# Altium PCB PCB_Core.PcbDoc (part 2 of 2) (continued)
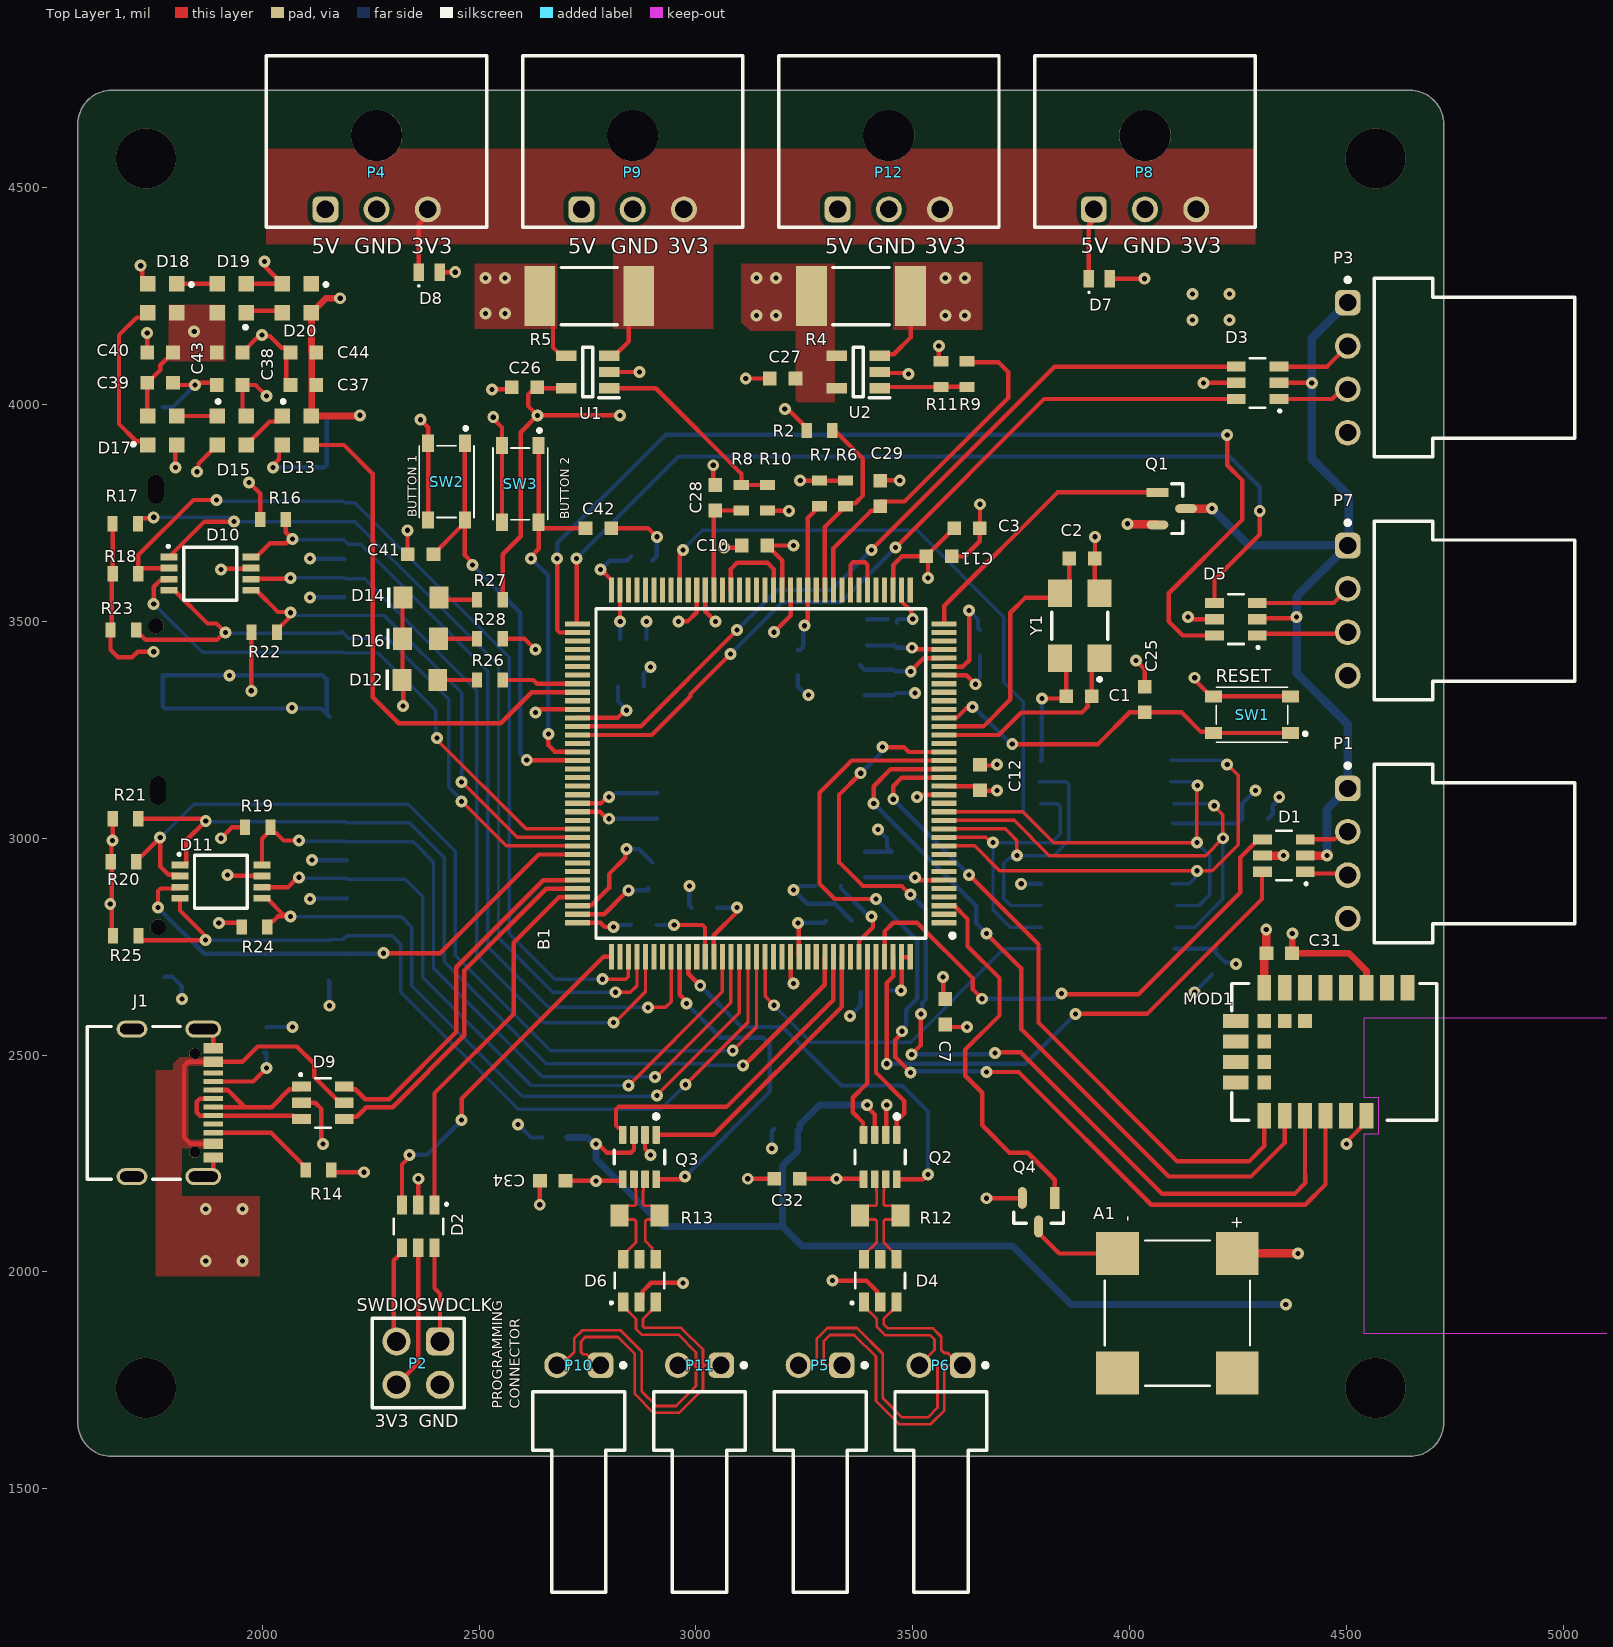
[diagram p0: Top Layer 1 view]
## Nets (pads, with @x,y where several pads share a name; then routed paths per layer and width w, separated by ;. In a path a pad name is that pad's centre, name@x,y a point inside that pad or via, vN(x,y) a via of type N, cw(c..) or ccw(c..) an arc to the next point about the centre after c; other vN are vias at no path point) (continued)
  other v1: 2068.89,3300.75 1925,3375
LED_1: B1.80 R26.1 | length 180.5
  Top Layer 1 w10: R26.1@2550,3365 2625,3365 2633.7,3356.3 B1.80@2726.85,3356.3
LED_PWM: B1.81 D13.3 | length 1205.5
  Top Layer 1 w10: D13.3@2118.46,3906.54 2188.46,3906.54 2255,3840 2255,3325 2315,3265 2550,3265 2621.61,3336.61 B1.81@2726.85,3336.61
NetA1_N: A1.N Q4.3 | length 216.5
  Top Layer 1 w10: Q4.3@3790,2105 3790,2090.39 3837.59,2042.8 A1.N@3972.2,2042.8
NetB1_138: B1.138 R1.1 | length 212.3
  Top Layer 1 w10: B1.138@3375,2702.74 B1.138@3375.98,2703.72 ; B1.138@3375.98,2726.85 3376.17,2727.03 3376.17,2762.82 3408.36,2795.02 3408.36,2816.64 v1(3405,2820)
  Bottom Layer 1 w10: R1.1@3334.53,2890 3334.53,2884.09 3391.46,2827.16 3393.09,2827.16 3400.25,2820 v1(3405,2820)
NetD1_1: D1.1 P1.3 | length 101
  Top Layer 1 w10: D1.1@4405,2922.6 4408.8,2918.8 4499.07,2918.8 P1.3@4502.87,2915
NetD1_2: D1.2 D3.2 D5.2 P1.1 P3.1 P7.1 Q1.3 | length 2089.6
  Top Layer 1 w10: D5.2@4294.21,3505 4296.71,3507.5 4382.5,3507.5 v1(4385,3510) ; D3.2@4344.21,4050 v1(4420,4050)
  Top Layer 1 w19.68: Q1.3@4130,3760 v1(4190,3760) ; D1.2@4405,2960 v1(4455,2960)
  Bottom Layer 1 w19.68: v1(4190,3760) 4275,3675 P7.1@4502.87,3675 ; v1(4455,2960) 4455,3067.13 P1.1@4502.87,3115 4502.87,3262.87 4385,3380.75 v1(4385,3510) 4385,3557.13 P7.1@4502.87,3675 ; P3.1@4502.87,4235 4420,4152.13 v1(4420,4050) 4420,3875 4505,3790 4505,3677.13 P7.1@4502.87,3675
NetD1_3: D1.3 P1.2 | length 105.2
  Top Layer 1 w10: D1.3@4405,2997.4 4472,2997.4 4489.6,3015 P1.2@4502.87,3015
NetD2_4: D2.4 P2.3 | length 225.3
  Top Layer 1 w10: P2.3@2303.39,1838.46 2303.39,2026.74 2322.6,2045.94 D2.4@2322.6,2055.79
NetD2_6: D2.6 P2.1 | length 221
  Top Layer 1 w10: D2.6@2397.4,2055.79 2397.4,1962.58 2410,1949.99 P2.1@2410,1840
NetD3_1: D3.1 P3.3 | length 167.9
  Top Layer 1 w10: D3.1@4344.21,4012.6 4467.2,4012.6 4489.6,4035 P3.3@4502.87,4035
NetD3_3: D3.3 P3.2 | length 178.4
  Top Layer 1 w10: D3.3@4344.21,4087.4 4455.28,4087.4 P3.2@4502.87,4135
NetD4_1: D4.1 P5.2 P6.2 | length 970.3
  Top Layer 1 w6.3: P5.2@3236.67,1785 3275.1,1785 3278.79,1788.69 3278.79,1846.52 3303.02,1870.75 3371.52,1870.75 3430.75,1811.52 3430.75,1709.25 3475,1665 3535,1665 3557.13,1687.13 3557.13,1781.31 3553.44,1785 P6.2@3515,1785 3550,1820 3550,1844.25 3540,1854.25 3436.35,1854.25 3417.13,1873.48 3417.13,1891.42 3387.6,1920.94 D4.1@3387.6,1930.79
NetD4_3: D4.3 P5.1 P6.1 | length 978.2
  Top Layer 1 w6.3: P5.1@3336.67,1785 3298.23,1785 3294.54,1788.69 3294.54,1840 3309.54,1855 3365,1855 3415,1805 3415,1702.73 3468.48,1649.25 3541.52,1649.25 3572.87,1680.6 3572.87,1781.31 3576.56,1785 P6.1@3608.71,1785 ; D4.3@3462.4,1930.79 3462.4,1920.94 3432.87,1891.42 3432.87,1880 3442.87,1870 3546.52,1870 3565.75,1850.78 3565.75,1820 3572.63,1813.12 3580.6,1813.12 P6.1@3608.71,1785 ; P6.1@3615,1785 P6.1@3608.71,1785
NetD5_1: D5.1 P7.3 | length 211.7
  Top Layer 1 w10: D5.1@4294.21,3467.6 4297.91,3471.3 4499.17,3471.3 P7.3@4502.87,3475
NetD5_3: D5.3 P7.2 | length 222.2
  Top Layer 1 w10: D5.3@4294.21,3542.4 4470.28,3542.4 P7.2@4502.87,3575
NetD6_1: D6.1 P10.2 P11.2 | length 872.1
  Top Layer 1 w6.3: P10.2@2680,1785 2689.25,1785 2719.25,1815 2719.25,1846.52 2738.48,1865.75 2826.52,1865.75 2875,1817.27 2875,1725 2908.86,1691.14 2954.61,1691.14 3000.46,1736.98 3000.46,1781.31 2996.77,1785 ; D6.1@2832.6,1930.79 2832.6,1920.94 2862.13,1891.42 2862.13,1868.33 2875.04,1855.42 2959.58,1855.42 3000.46,1814.54 3000.46,1788.69 2996.77,1785 ; P11.2@2958.33,1785 2996.77,1785
NetD6_3: D6.3 P10.1 P11.1 | length 877.8
  Top Layer 1 w6.3: P10.1@2780,1785 2773.71,1785 2748.17,1810.55 2739.45,1810.55 2735,1815 2735,1840 2745,1850 2820,1850 2859.25,1810.75 2859.25,1718.48 2902.34,1675.39 2961.14,1675.39 3016.21,1730.46 3016.21,1781.31 3019.9,1785 ; D6.3@2907.4,1930.79 2907.4,1920.94 2877.87,1891.42 2877.87,1874.86 2881.56,1871.17 2966.11,1871.17 3016.21,1821.06 3016.21,1788.69 3019.9,1785 ; P11.1@3058.33,1785 3019.9,1785
NetD12_2: D12.2 R26.2 | length 85.9
  Top Layer 1 w10: D12.2@2405,3365 R26.2@2490.94,3365
NetD13_1: D13.1 D15.3 | length 115.8
  Top Layer 1 w10: D15.3@1963.46,3906.54 2017.68,3960.75 2038.82,3960.75 D13.1@2051.54,3973.46
NetD14_2: D14.2 R27.2 | length 89.1
  Top Layer 1 w10: D14.2@2406.34,3550 R27.2@2495.47,3550
NetD15_1: D15.1 D17.3 | length 93.1
  Top Layer 1 w10: D17.3@1803.46,3973.46 D15.1@1896.54,3973.46
NetD16_2: D16.2 R28.1 | length 89.1
  Top Layer 1 w10: D16.2@2406.34,3460 R28.1@2495.47,3460
NetD17_1: D17.1 D18.3 | length 379.5
  Top Layer 1 w10: D17.1@1736.54,3906.54 1727.75,3915.32 1709.68,3915.32 1670,3955 1670,4160 1710.71,4200.71 1725.71,4200.71 D18.3@1736.54,4211.54
NetD18_1: D18.1 D19.3 | length 93.1
  Top Layer 1 w10: D18.1@1803.46,4278.46 D19.3@1896.54,4278.46
NetD19_1: D19.1 D20.3 | length 88.1
  Top Layer 1 w10: D19.1@1963.46,4216.54 D20.3@2051.54,4216.54
NetJ1_A5: J1.A5 R15.1 | length 176.2
  Top Layer 1 w10: J1.A5@1887.83,2438.31 J1.A5@1886.93,2439.21 1979.33,2439.21 v1(2010,2469.88)
  Bottom Layer 1 w10: R15.1@2005,2505.47 R15.1@2007.5,2502.97 ; v1(2010,2469.88) R15.1@2010,2505.47
NetJ1_B5: J1.B5 R14.1 | length 252.7
  Top Layer 1 w10: J1.B5@1886.93,2321.1 2020.28,2321.1 2100.47,2240.91 R14.1@2100.47,2235
NetR8_1: R8.1 R10.2 U1.1 | length 472.3
  Top Layer 1 w10: U1.1@2800,4037.6 2907.4,4037.6 3105,3840 R8.1@3105,3814.53 R10.2@3165,3814.53
NetR9_1: R9.1 R11.2 U2.1 | length 205.6
  Top Layer 1 w10: U2.1@3424.23,4040.47 R11.2@3565,4040.47 ; R11.2@3560.24,4040.71 3624.76,4040.71 R9.1@3625,4040.47
OSC_IN: B1.23 C1.1 Y1.1 | length 477.3
  Top Layer 1 w10: B1.23@3572.36,3238.19 3698.19,3238.19 3750,3290 3890,3290 3903.5,3303.5 3903.5,3318.12 C1.1@3912.54,3327.17 3912.54,3392.43 3921.37,3401.26 Y1.1@3935.28,3401.26
OSC_OUT: B1.24 C2.1 Y1.3 | length 609.2
  Top Layer 1 w10: B1.24@3572.36,3257.87 3662.87,3257.87 3725,3320 3725,3520 3759.8,3554.8 3844.72,3554.8 3860.47,3570.55 C2.1@3860.47,3645
RESET: B1.25 C25.2 SW1.1 | length 896.4
  Top Layer 1 w10: B1.25@3570.55,3277.56 3571.46,3278.46 3602.03,3278.46 3622.94,3299.37 3634.15,3299.37 v1(3637.51,3302.73) ; v1(3729.32,3216.98) 3926.98,3216.98 4000.47,3290.47 C25.2@4035,3290.47 4119.53,3290.47 4164.74,3245.26 4190.83,3245.26 SW1.1@4193.57,3242.52 SW1.1@4370.74,3242.52
  Bottom Layer 1 w10: v1(3637.51,3302.73) 3640.54,3302.73 3726.29,3216.98 v1(3729.32,3216.98)
SD1_CD: B1.97 D10.3 J2.9 | length 1312.3
  Top Layer 1 w7.87: v1(2402.73,3231.05) 2402.73,3227.27 2608.35,3021.65 B1.97@2726.85,3021.65
  Top Layer 1 w10: v1(1750,3540) 1750,3580 1764.33,3594.33 1782.64,3594.33 D10.3@1785.51,3597.2
  Bottom Layer 1 w7.87: v1(1750,3540) 1861.5,3428.5 2188.54,3428.5 J2.9@2190.04,3427.01 2267.99,3427.01 2400,3295 2400,3233.78 v1(2402.73,3231.05)
SD1_CLK: B1.113 D10.6 J2.5 | length 1802.9
  Top Layer 1 w7.87: v1(2810,2575) 2812.93,2575 2883.86,2645.93 B1.113@2883.86,2726.85
  Top Layer 1 w10: D10.6@1974.49,3597.2 1975.89,3598.6 2063.6,3598.6 v1(2065,3600)
  Bottom Layer 1 w7.87: v1(2065,3600) 2065.12,3600.12 2189.92,3600.12 J2.5@2190.04,3600.24 2191.86,3598.42 2236.58,3598.42 2495,3340 2495,2730 2650,2575 v1(2810,2575)
SD1_CMD: B1.116 D10.8 J2.3 R16.2 | length 1970.7
  Top Layer 1 w7.87: v1(2890,2610) 2930,2610 2942.91,2622.91 B1.116@2942.91,2726.85
  Top Layer 1 w10: D10.8@1974.49,3648.39 1986.3,3648.39 2017.91,3680 2055.36,3680 2065.36,3690 v1(2070,3690) 2054.53,3705.47 R16.2@2054.53,3735
  Bottom Layer 1 w7.87: v1@2065,3690 2066.57,3688.43 2188.46,3688.43 2198.82,3678.07 2226.93,3678.07 2520,3385 2520,2750 2660,2610 v1(2890,2610)
SD1_DATA0: B1.98 D10.5 J2.7 R22.2 | length 1152.3
  Top Layer 1 w7.87: v1(2460,3130) 2588.03,3001.97 B1.98@2726.85,3001.97
  Top Layer 1 w10: D10.5@1974.49,3571.61 1986.3,3571.61 2036.22,3521.69 2063.31,3521.69 v1(2065,3520) 2061.64,3516.64 2061.64,3508.02 2034.53,3480.91 R22.2@2034.53,3475
  Bottom Layer 1 w7.87: v1@2076.13,3513.62 J2.7@2190.04,3513.62 2281.38,3513.62 2460,3335 v1(2460,3130)
SD1_DATA1: B1.99 D10.4 J2.8 R23.2 | length 1529.6
  Top Layer 1 w7.87: v1(2460,3085) 2562.72,2982.28 B1.99@2726.85,2982.28
  Top Layer 1 w10: R23.2@1714.53,3474.09 1714.53,3469.09 1716.34,3467.28 1721.34,3467.28 1731.35,3457.27 1896.06,3457.27 1908.4,3469.61 v1@1908.4,3473.91 ; D10.4@1785.51,3571.61 1797.32,3571.61 1873.94,3495 1894.49,3495 v1(1915.43,3474.06) v1@1908.26,3474.06
  Bottom Layer 1 w7.87: v1(1915.43,3474.06) 1917.3,3472.19 2179.26,3472.19 2183.71,3476.64 2198.82,3461.54 2288.46,3461.54 2430,3320 2430,3118.14 2460,3088.14 v1(2460,3085)
SD1_DATA2: B1.111 D10.2 J2.1 R18.2 | length 2184.5
  Top Layer 1 w7.87: v1(2785,2675) 2785.25,2675.25 2838.63,2675.25 2844.49,2681.11 B1.111@2844.49,2726.85
  Top Layer 1 w10: D10.2@1785.51,3622.8 1727.32,3622.8 1727.24,3622.72 1721.34,3622.72 1714.53,3615.91 R18.2@1714.53,3610 1714.53,3652.97 1841.56,3780 v1(1895,3780)
  Bottom Layer 1 w7.87: v1(1895,3780) 1898.27,3776.73 2186.77,3776.73 J2.1@2190.04,3773.46 2213.66,3773.46 2570,3417.13 2570,2780 2675,2675 v1(2785,2675)
SD1_DATA3: B1.112 D10.1 J2.2 R17.2 | length 2238.5
  Top Layer 1 w7.87: v1(2815,2645) 2815.36,2644.64 2848.78,2644.64 2864.17,2660.03 B1.112@2864.17,2726.85
  Top Layer 1 w10: R17.2@1714.06,3725 1714.06,3730.91 1720.87,3737.72 1747.72,3737.72 v1(1750,3740) ; D10.1@1785.51,3648.39 1867.13,3730 v1(1935,3730)
  Bottom Layer 1 w7.87: v1(1750,3740) 1920.25,3740 1930.25,3730 v1(1935,3730) 1935.08,3730.08 2189.96,3730.08 J2.2@2190.04,3730.16 2213.66,3730.16 2545,3398.82 2545,2770 2670,2645 v1(2815,2645)
SD2_CD: B1.100 D11.3 J3.9 | length 1199.6
  Top Layer 1 w10: v1(1760,2840) 1760,2878.47 1765.86,2884.33 1807.64,2884.33 D11.3@1810.51,2887.2 ; v1(2280,2735) 2410,2735 2637.6,2962.6 B1.100@2726.85,2962.6
  Bottom Layer 1 w10: v1(1760,2840) 1866.44,2733.56 2193.68,2733.56 J3.9@2195.12,2732.13 2196.56,2733.56 2278.56,2733.56 v1(2280,2735)
SD2_CLK: B1.122 D11.6 J3.5 | length 1548.5
  Top Layer 1 w7.87: v1(2845,2430) 3061.02,2646.02 B1.122@3061.02,2726.85
  Top Layer 1 w10: D11.6@1999.49,2887.2 2059.52,2887.2 2082.32,2910 v1(2085,2910)
  Bottom Layer 1 w7.87: v1(2085,2910) 2087.32,2907.68 2192.8,2907.68 J3.5@2195.12,2905.35 2329.65,2905.35 2370,2865 2370,2680 2620,2430 v1(2845,2430)
SD2_CMD: B1.123 D11.8 J3.3 R19.2 | length 1712.4
  Top Layer 1 w7.87: v1(2905.67,2449.69) 2909.69,2449.69 3080.71,2620.71 B1.123@3080.71,2726.85
  Top Layer 1 w10: D11.8@1999.49,2938.39 1999.49,2999.05 R19.2@2019.53,3019.09 ; R19.2@2019.53,3025 R19.2@2019.53,3019.09 ; v1(2085,2995) 2049.53,2995 2032.24,3012.28 2026.34,3012.28 R19.2@2019.53,3019.09
  Bottom Layer 1 w7.87: v1(2085,2995) 2086.52,2993.48 2193.6,2993.48 J3.3@2195.12,2991.97 2348.03,2991.97 2395,2945 2395,2700 2645.31,2449.69 v1(2905.67,2449.69)
SD2_DATA0: B1.124 D11.5 J3.7 R24.2 | length 1645
  Top Layer 1 w7.87: v1(2909.99,2407.12) 3100.39,2597.53 B1.124@3100.39,2726.85
  Top Layer 1 w10: D11.5@1999.49,2861.61 2011.3,2861.61 2049.55,2823.36 2061.64,2823.36 v1(2065,2820) 2064.91,2819.91 2036.22,2819.91 2024.53,2808.23 2018.63,2808.23 2011.82,2801.42 R24.2@2011.82,2795.51
  Bottom Layer 1 w7.87: v1(2065,2820) 2065.63,2819.37 2194.49,2819.37 J3.7@2195.12,2818.74 2321.26,2818.74 2345,2795 2345,2660 2600,2405 2907.86,2405 v1(2909.99,2407.12)
SD2_DATA1: B1.125 D11.4 J3.8 R25.2 | length 2002.8
  Top Layer 1 w7.87: v1(2976,2431.8) 3120.08,2575.88 B1.125@3120.08,2726.85
  Top Layer 1 w10: R25.2@1715,2775 1715,2771.81 1721.81,2765 1868,2765 v1@1869,2766 ; D11.4@1810.51,2861.61 1810.51,2833.31 1866.04,2777.79 1866.04,2766.15 v1@1869,2763.19
  Bottom Layer 1 w7.87: v1(1869.4,2765.6) 1870,2765 2156.86,2765 2158.51,2766.65 2186.34,2766.65 J3.8@2195.12,2775.43 2299.57,2775.43 2320,2755 2320,2645 2590,2375 2919.2,2375 v1(2976,2431.8)
SD2_DATA2: B1.126 D11.2 J3.1 R20.2 | length 2170.3
  Top Layer 1 w7.87: v1(3085,2510.3) 3085.3,2510.3 3139.76,2564.76 B1.126@3139.76,2726.85
  Top Layer 1 w10: R20.2@1709.76,2946.18 1709.76,2952.09 1716.57,2958.9 1722.48,2958.9 v1(1765,3001.42) 1765,2935 1784.47,2915.53 1807.78,2915.53 D11.2@1810.51,2912.8
  Bottom Layer 1 w7.87: v1(1765,3001.42) 1842.16,3078.58 J3.1@2195.12,3078.58 2336.42,3078.58 2445,2970 2445,2730 2665,2510 3084.7,2510 v1(3085,2510.3)
SD2_DATA3: B1.134 D11.1 J3.2 R21.2 | length 2233.5
  Top Layer 1 w10: R21.2@1714.53,3045 1860.25,3045 1865.25,3040 v1(1870,3040) 1825.2,2995.2 1825.2,2941.26 1822.32,2938.39 D11.1@1810.51,2938.39 ; v1(3108.34,2476.53) 3111.53,2476.53 3297.24,2662.24 B1.134@3297.24,2726.85
  Bottom Layer 1 w7.87: v1(1870,3040) 1872.36,3037.64 2192.76,3037.64 J3.2@2195.12,3035.28 2339.72,3035.28 2420,2955 2420,2715 2655,2480 3025,2480 3028.47,2476.53 v1(3108.34,2476.53)
SPI_FLASH_1_NCS: B1.127 IC1.1 | length 861.2
  Top Layer 1 w7.87: B1.127@3159.45,2726.85 3159.45,2635.55 v1(3180,2615)
  Bottom Layer 1 w7.87: v1(3180,2615) 3265,2530 3495,2530 3710,2745 IC1.1@3796.54,2745
SPI_FLASH_2_NCS: B1.64 IC2.1 | length 1463
  Top Layer 1 w10: B1.64@2962.6,3572.36 2962.6,3652.85 2970,3660.25 v1(2970,3665)
  Bottom Layer 1 w7.87: v1(2970,3665) 3015,3710 3510,3710 3710,3510 3710,3360 3755,3315 3755,3061.46 3796.46,3020
SPI_FLASH_CLK: B1.14 IC1.6 IC2.6 | length 1028.7
  Top Layer 1 w7.87: B1.14@3572.36,3061.02 3753.98,3061.02 3825,2990 v1(4155,2990) 4155,3110.36 4156.64,3112 v1(4156.64,3121.64)
  Bottom Layer 1 w7.87: IC2.6@4095.04,3130 4143.53,3130 4151.89,3121.64 v1(4156.64,3121.64) ; IC1.6@4108.54,2845 4160,2845 4185,2870 4185,2960 v1(4155,2990)
SPI_FLASH_Q0: B1.10 IC1.5 IC2.5 | length 1131.6
  Top Layer 1 w7.87: B1.10@3572.36,2982.28 3642.72,2982.28 3700,2925 v1(4155,2925) 4190,2925 4250,2985 4250,3145 v1(4225,3170)
  Bottom Layer 1 w7.87: IC2.5@4095.04,3180 4210.36,3180 4220.36,3170 v1(4225,3170) ; IC1.5@4098.7,2895 4137.32,2895 4151.64,2909.32 4151.64,2921.64 v1(4155,2925)
SPI_FLASH_Q1: B1.11 IC1.2 IC2.2 | length 675.6
  Top Layer 1 w7.87: B1.11@3572.36,3001.97 3668.28,3001.97 3680.25,2990 v1(3685,2990)
  Bottom Layer 1 w7.87: IC2.2@3795,3080 3834.14,3080 3840,3074.14 3840,3010 3820,2990 v1(3685,2990) 3685,2835 3725,2795 IC1.2@3796.54,2795
SPI_FLASH_Q2: B1.12 IC1.3 IC2.3 | length 760.4
  Top Layer 1 w7.87: B1.12@3572.36,3021.65 3713.35,3021.65 3722.5,3012.5 3722.5,3012.25 3740,2994.75 v1(3740,2960)
  Bottom Layer 1 w7.87: IC2.3@3791.18,3130 3854.14,3130 3860,3124.14 3860,2995 3825,2960 3735.25,2960 3729.55,2954.3 3722.07,2954.3 3710,2942.23 3710,2860.86 3725.86,2845 IC1.3@3796.54,2845
SPI_FLASH_Q3: B1.13 IC1.7 IC2.7 | length 1144.5
  Top Layer 1 w7.87: B1.13@3572.36,3041.34 3733.66,3041.34 3815,2960 4175,2960 v1(4215,3000) 4215,3054.3 4195,3074.3 v1(4195,3075)
  Bottom Layer 1 w7.87: IC2.7@4102.09,3080 4185.25,3080 4190.25,3075 v1(4195,3075) ; IC1.7@4108.54,2795 4150,2795 4215,2860 v1(4215,3000)
SWCLK: B1.109 D2.3 | length 807.3
  Top Layer 1 w10: D2.3@2322.6,2154.21 2322.6,2247.85 2340,2265.25 v1(2340,2270) ; v1(2460,2350) 2460,2400 2786.85,2726.85 B1.109@2805.12,2726.85
  Bottom Layer 1 w10: v1(2340,2270) 2380,2270 v1(2460,2350) v1@2460,2349.3
SWDIO: B1.105 D2.1 | length 871.2
  Top Layer 1 w10: D2.1@2397.4,2154.21 2397.4,2412.4 2580,2595 2580,2759.59 2684.58,2864.17 B1.105@2726.85,2864.17
THYONE_CTS: B1.21 MOD1.15 | length 2255.6
  Top Layer 1 w10: v1(3380,3150) 3330,3100 3330,2945 3385,2890 3474.3,2890 3494.3,2870 v1(3495,2870) ; v1(3430,3210) 3479.75,3210 3490.93,3198.82 B1.21@3572.36,3198.82 ; v1(3497.59,2501.83) 3518.78,2523.02 v1(3518.78,2595) ; v1(3690,2505) 3691.4,2506.4 3748.6,2506.4 4075,2180 4380,2180 4405,2205 4405,2225 4404.49,2225.51 MOD1.15@4404.49,2360
  Bottom Layer 1 w10: v1(3380,3150) 3426.64,3196.64 3426.64,3206.64 v1(3430,3210) ; v1(3495,2870) 3530,2835 3530,2628.78 3522.14,2620.92 3522.14,2598.36 v1(3518.78,2595) ; v1(3497.59,2501.83) 3686.83,2501.83 v1(3690,2505)
THYONE_RTS: B1.20 MOD1.16 | length 2409.9
  Top Layer 1 w10: v1(3415,2860) 3320,2860 3285,2895 3285,3105 3359.13,3179.13 B1.20@3572.36,3179.13 ; v1(3475,2555) 3475,2550.25 3460,2535.25 3460,2495 v1(3495,2460) ; v1(3670,2461.22) 3743.78,2461.22 4050,2155 4405,2155 4451.73,2201.73 MOD1.16@4451.73,2360
  Bottom Layer 1 w10: v1(3415,2860) 3510,2765 3510,2630 3485,2605 3485,2569.64 3475,2559.64 v1(3475,2555) ; v1(3495,2460) 3497.5,2462.5 3668.72,2462.5 v1(3670,2461.22)
THYONE_RX: B1.18 MOD1.13 | length 1546.6
  Top Layer 1 w10: v1(3455,3090) 3455,3120 3474.76,3139.76 B1.18@3572.36,3139.76 ; v1(3630,2915) 3630.47,2915 3790,2755.47 3790,2575 4110,2255 4275,2255 4310,2290 MOD1.13@4310,2360
  Bottom Layer 1 w10: v1(3455,3090) v1(3630,2915)
THYONE_TX: B1.19 MOD1.14 | length 1722.4
  Top Layer 1 w10: v1(3410,3080) 3410,3120 3449.45,3159.45 B1.19@3572.36,3159.45 ; v1(3670,2780) 3750,2700 3750,2560 4090,2220 4280,2220 4357.24,2297.24 MOD1.14@4357.24,2360
  Bottom Layer 1 w10: v1(3410,3080) 3646.64,2843.36 3646.64,2803.36 v1(3670,2780)
USB_N: B1.103 D9.6 | length 846.4
  Top Layer 1 w10.63: D9.6@2189.21,2427.4 2195.71,2420.91 2215.1,2420.91 2237.51,2398.5 2293.03,2398.5 2447.84,2553.32 2447.84,2702.84 2648.5,2903.5 2726.81,2903.5 B1.103@2726.85,2903.54
USB_P: B1.104 D9.4 | length 845.3
  Top Layer 1 w10.63: D9.4@2189.21,2352.6 2194.9,2358.28 2218.28,2358.28 2240,2380 2300.69,2380 2466.35,2545.66 2466.35,2695.18 2655.03,2883.86 B1.104@2726.85,2883.86
USBC_N: D9.1 J1.A7 J1.B7 | length 312.6
  Top Layer 1 w10.63: J1.A7@1886.93,2380.16 1959.84,2380.16 ; J1.B7@1886.93,2419.53 1920.47,2419.53 1959.84,2380.16 ; D9.1@2090.79,2427.4 2084.29,2420.91 2062.8,2420.91 2022.06,2380.16 1970,2380.16 1959.84,2380.16
USBC_P: D9.3 J1.A6 J1.B6 | length 313.3
  Top Layer 1 w10.63: J1.A6@1886.93,2399.84 1856.61,2399.84 1849.17,2392.41 1849.17,2367.91 1856.61,2360.47 J1.B6@1886.93,2360.47 2073.07,2360.47 2080.94,2352.6 D9.3@2090.79,2352.6
VBAT: B1.6 C23.1 C24.1 | length 185
  Top Layer 1 w10: v1(3505,2910) 3509.75,2910 3516.21,2903.54 B1.6@3572.36,2903.54
  Bottom Layer 1 w10: C24.1@3390,2910 v1(3505,2910)
VCAP1: B1.71 C19.2 | length 112.6
  Top Layer 1 w10: B1.71@2824.8,3572.36 2824.9,3572.26 2824.9,3500.1 v1@2825,3500
  Bottom Layer 1 w10: v1(2825.47,3500) 2825.47,3460.47 C19.2@2825.94,3460
VCAP2: B1.106 C20.2 | length 278.3
  Top Layer 1 w10: B1.106@2726.85,2844.49 2727.76,2845.39 2759.54,2845.39 2800,2885.86 2800,2917.64 2837.22,2954.86 2837.22,2971.24 2844.04,2978.06 v1@2844.04,2982.82
  Bottom Layer 1 w10: v1(2840,2975) 2869.06,2975 C20.2@2900,2944.06
VDD33USB: B1.95 C21.1 C22.1 | length 191.3
  Top Layer 1 w10: B1.95@2726.85,3061.02 2779.22,3061.02 2795.25,3045 v1(2800,3045)
  Bottom Layer 1 w10: v1(2800,3045) C21.1@2850,3045 2910.46,3045 C22.1@2911.18,3045.72
VDDA: B1.33 C17.1 C18.1 | length 183
  Top Layer 1 w10: v1(3498.1,3439.16) 3501.31,3435.94 3571.46,3435.94 B1.33@3572.36,3435.04
  Bottom Layer 1 w10: C17.1@3395,3445.47 3395.96,3444.51 C18.1@3456.18,3444.51 ; C18.1@3456.18,3445.47 C18.1@3456.67,3445.96 ; C18.1@3456.18,3445.99 3463.01,3439.16 v1(3498.1,3439.16)
VREF+: B1.32 C15.1 C16.1 | length 213.8
  Top Layer 1 w10: v1(3495.4,3384.75) 3495.4,3385.65 3525.11,3415.35 B1.32@3572.36,3415.35
  Bottom Layer 1 w10: C15.1@3379.18,3398.98 C15.1@3389.92,3388.23 ; C15.1@3388.81,3388.23 3389.33,3388.75 C16.1@3454.89,3388.75 3458.88,3384.75 v1(3495.4,3384.75)
pads on no net: A1.1 A1.2 B1.1 B1.2 B1.4 B1.5 B1.7 B1.8 B1.9 B1.15 B1.22 B1.26 B1.27 B1.28 B1.29 B1.34 B1.35 B1.37 B1.40 B1.41 B1.43 B1.45 B1.48 B1.50 B1.54 B1.55 B1.56 B1.57 B1.59 B1.63 B1.65 B1.66 B1.67 B1.68 B1.69 B1.70 B1.75 B1.76 B1.77 B1.78 B1.79 B1.82 B1.87 B1.90 B1.91 B1.92 B1.93 B1.96 B1.101 B1.102 B1.110 B1.114 B1.115 B1.119 B1.128 B1.129 B1.132 B1.133 B1.137 D4.5 D6.5 D20.1 IC1.9 IC2.9 J1.A8 J1.B8 J1.MH1 J1.MH2 J2.MH1 J2.MH2 J3.MH1 J3.MH2 MOD1.1 MOD1.2 MOD1.4 MOD1.5 MOD1.6 MOD1.7 MOD1.9 MOD1.10 MOD1.11 MOD1.12 MOD1.17 MOD1.B1 MOD1.B2 MOD1.B3 MOD1.B4 MOD1.B5 MOD1.B6 P4.MH1 P8.MH1 P9.MH1 P12.MH1
copper on no net:
  other v2: 1732.28,1732.28 4566.93,1732.28 1732.28,4566.93 4566.93,4566.93

## Polygon pours and split planes (outlines as drawn)
5V_Current+ on Top Layer 1 "Top Layer 1-5V_Current+" (solid, pour order 48): 1995,1990 1995,2175 1815,2175 1815,2285 1880,2285 1880,2305 1835,2305 1830,2310 1830,2475 1885,2475 1885,2495 1810,2495 1795,2480 1795,2465 1755,2465 1755,1990
3V3_Current- on Top Layer 1 "3V3_CURRENT-_L01_P047" (solid, pour order 47): 1785,4230 1915,4230 1915,4100 1785,4100
3V3_Current+ on Top Layer 1 "Top Layer 1-3V3_Current+" (solid, pour order 43): 3040,4175 3040,4370 4290,4370 4290,4590 2010,4590 2010,4370 2810,4370 2810,4175
3V3_Current- on Top Layer 1 "3V3_CURRENT-_L01_P039" (solid, pour order 39): 2490,4325 2490,4175 2680,4175 2680,4325
5V_Current- on Top Layer 1 "5V_CURRENT-_L01_P027" (solid, pour order 27): 3105,4325 3105,4190 3125,4170 3230,4170 3230,4010 3235,4005 3320,4005 3320,4325
5V_Current+ on Top Layer 1 "5V_CURRENT+_L01_P024" (solid, pour order 24): 3455,4327.5 3455,4172.5 3660,4172.5 3660,4327.5 3535,4327.5
5V_Current- on Bottom Layer 1 "5V_CURRENT-_L04_P028" (solid, pour order 28): 2770,3945 4295,3945 4295,4280 3760,4280 3760,4160 3220,4160 3220,4320 3105,4320 3105,4190 3095,4180 2770,4180
5V_Current+ on Bottom Layer 1 "Bottom Layer 1-5V_Current+" (solid, pour order 46): 3525,4185 3660,4185 3660,4360 4250,4360 4250,4550 1600,4550 1600,1985 1990,1985 1990,2170 1995,2175 1755,2175 1755,2625 1700,2625 1700,4360 3525,4360
3V3_Current- on Power "3V3_CURRENT-_L03_P038" (solid, pour order 38): 1630,4370 4435,4370 4435,1653.54 1630,1653.54
5V_Current- on Power "5V_CURRENT-_L03_P034" (solid, pour order 34): 4070,3975 4365,3975 4365,3635 4115,3635 4115,2915 4435,2915 4435,2730 4220,2730 4220,1850 4215,1845 4585,1845 4585,4365 4070,4365
GND on GND "GND_PLANE" (solid, pour order 40): 1614.17,1692.91 1614.17,4606.3 cw(c1692.91,4606.3) 1692.91,4685.04 4606.3,4685.04 cw(c4606.3,4606.3) 4685.04,4606.3 4685.04,1692.91 cw(c4606.3,1692.91) 4606.3,1614.17 1692.91,1614.17 cw(c1692.91,1692.91)

## Silkscreen, mask and mechanical layers (free items; w line width, h text height)
Top Overlay:
  text "5V" at 3886.81,4337.64 h60
  text "GND" at 3985.15,4337.64 h60
  text "3V3" at 4116.69,4337.64 h60
  text "5V" at 2114.17,4335.68 h60
  text "GND" at 2212.51,4335.68 h60
  text "3V3" at 2344.05,4335.68 h60
  text "5V" at 2705.71,4335.68 h60
  text "GND" at 2804.05,4335.68 h60
  text "3V3" at 2935.58,4335.68 h60
  text "5V" at 3298.23,4335.68 h60
  text "GND" at 3396.57,4335.68 h60
  text "3V3" at 3528.1,4335.68 h60
  text "BUTTON 1" at 2363.05,3740 h35 r90
  text "BUTTON 2" at 2715,3735 h35 r90
  text "RESET" at 4198.6,3349.41 h50
  text "SWDIO" at 2217.83,1899.41 h50
  text "SWDCLK" at 2356.14,1899.41 h50
  text "PROGRAMMING  / CONNECTOR" at 2601.57,1685 h40 r90
  text "GND" at 2361.25,1632.13 h50
  text "3V3" at 2259.21,1631.21 h50
Mechanical 1:
  the board outline again, w10

## Text inside footprints (layer, text, board x,y; h text height)
A1: Top Overlay "-" at 3985,2130 h27.56 r270; Top Overlay "+" at 4235,2130 h27.56 r270; Mechanical 13 "+" at 4235,2130 h27.56 r270; Mechanical 13 "-" at 3985,2130 h27.56 r270
MOD1: Top Courtyard "no metal" at 5148.58,2558.81 h27.56 r180; Top Courtyard "12.5mm" at 4892.67,2527.32 h27.56 r180; Top Courtyard "12.5mm" at 4660.39,2149.36 h27.56 r90; Top Courtyard "no metal" at 4617.08,1889.52 h27.56 r90